# KiCad board pcb.kicad_pcb
title: Sitina 1 Sensor Board; date: 2024-06-18; rev: R0.11; company: Copyright 2024 Wenting Zhang; note: MERCHANTABILITY, SATISFACTORY QUALITY AND FITNESS FOR A PARTICULAR PURPOSE.; note: This source is distributed WITHOUT ANY EXPRESS OR IMPLIED WARRANTY, INCLUDING OF; note: This source describes Open Hardware and is licensed under the CERN-OHL-S v2.
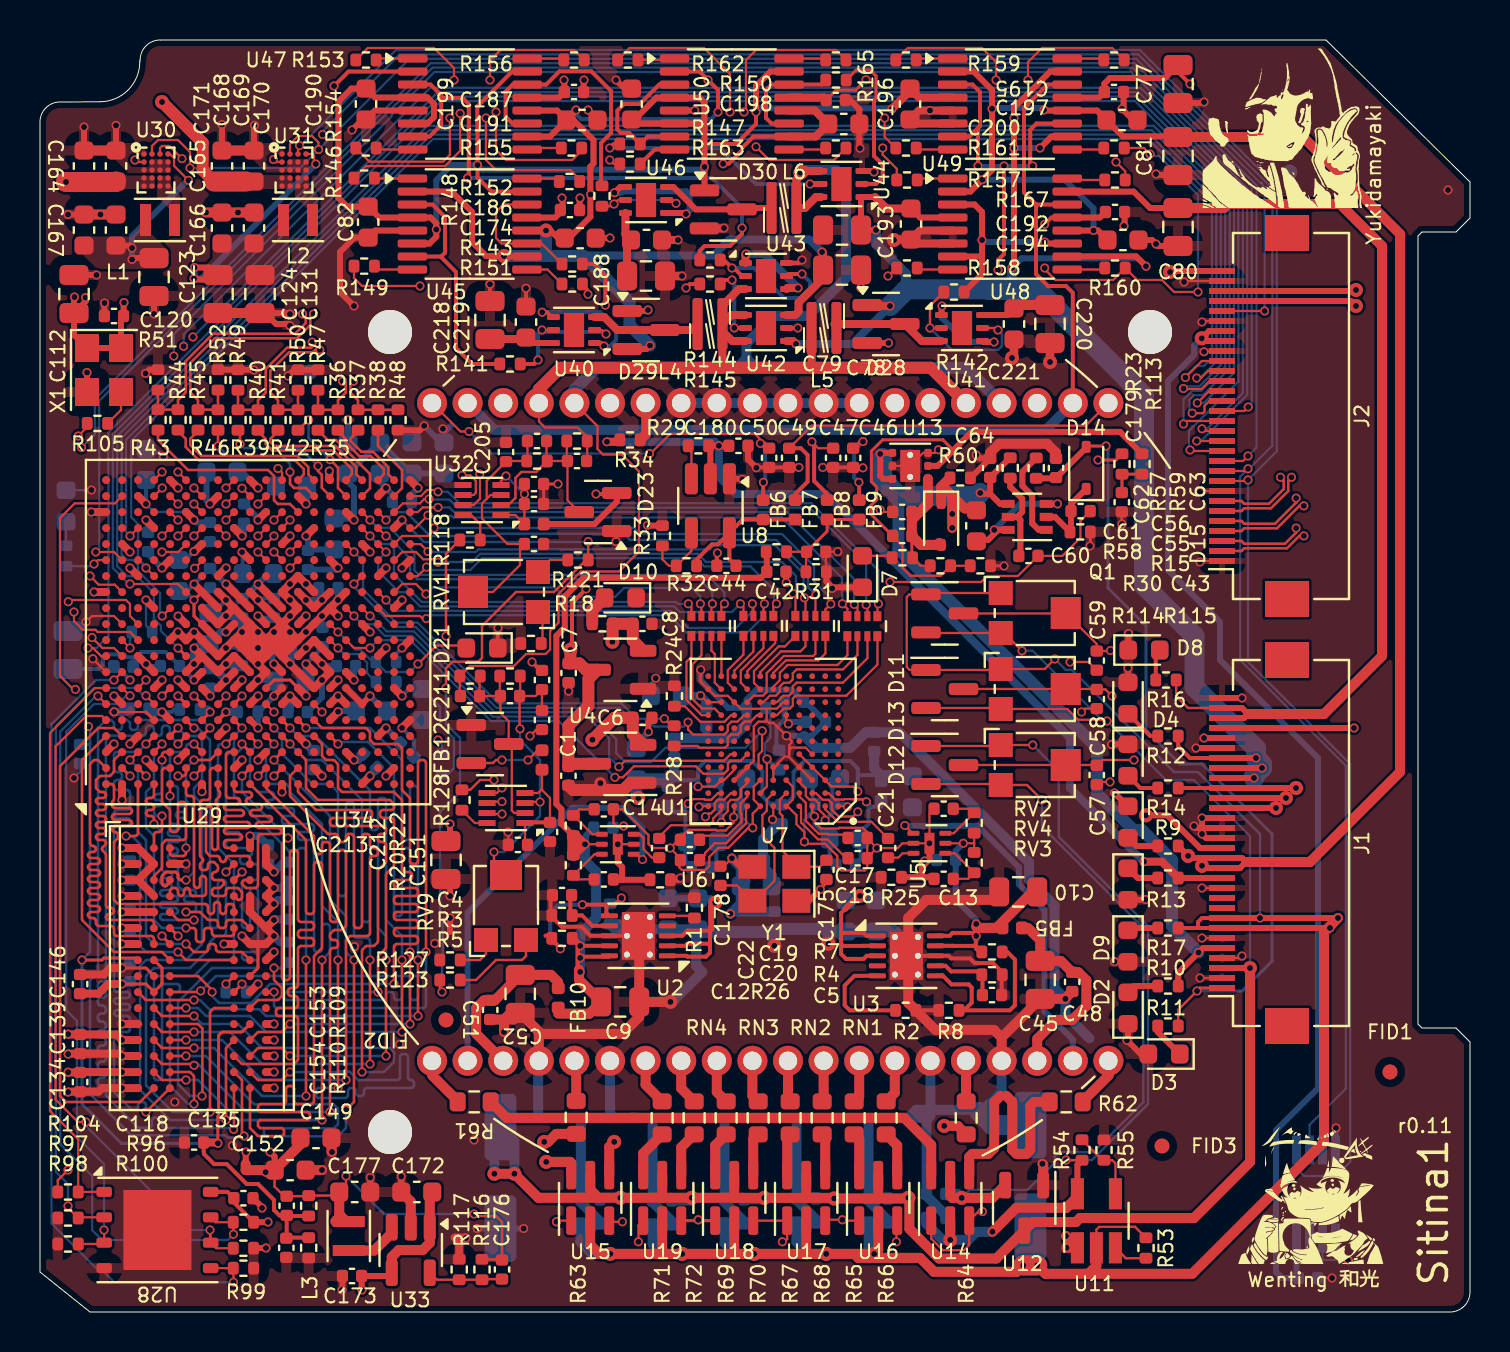
[diagram p0: board, top side]
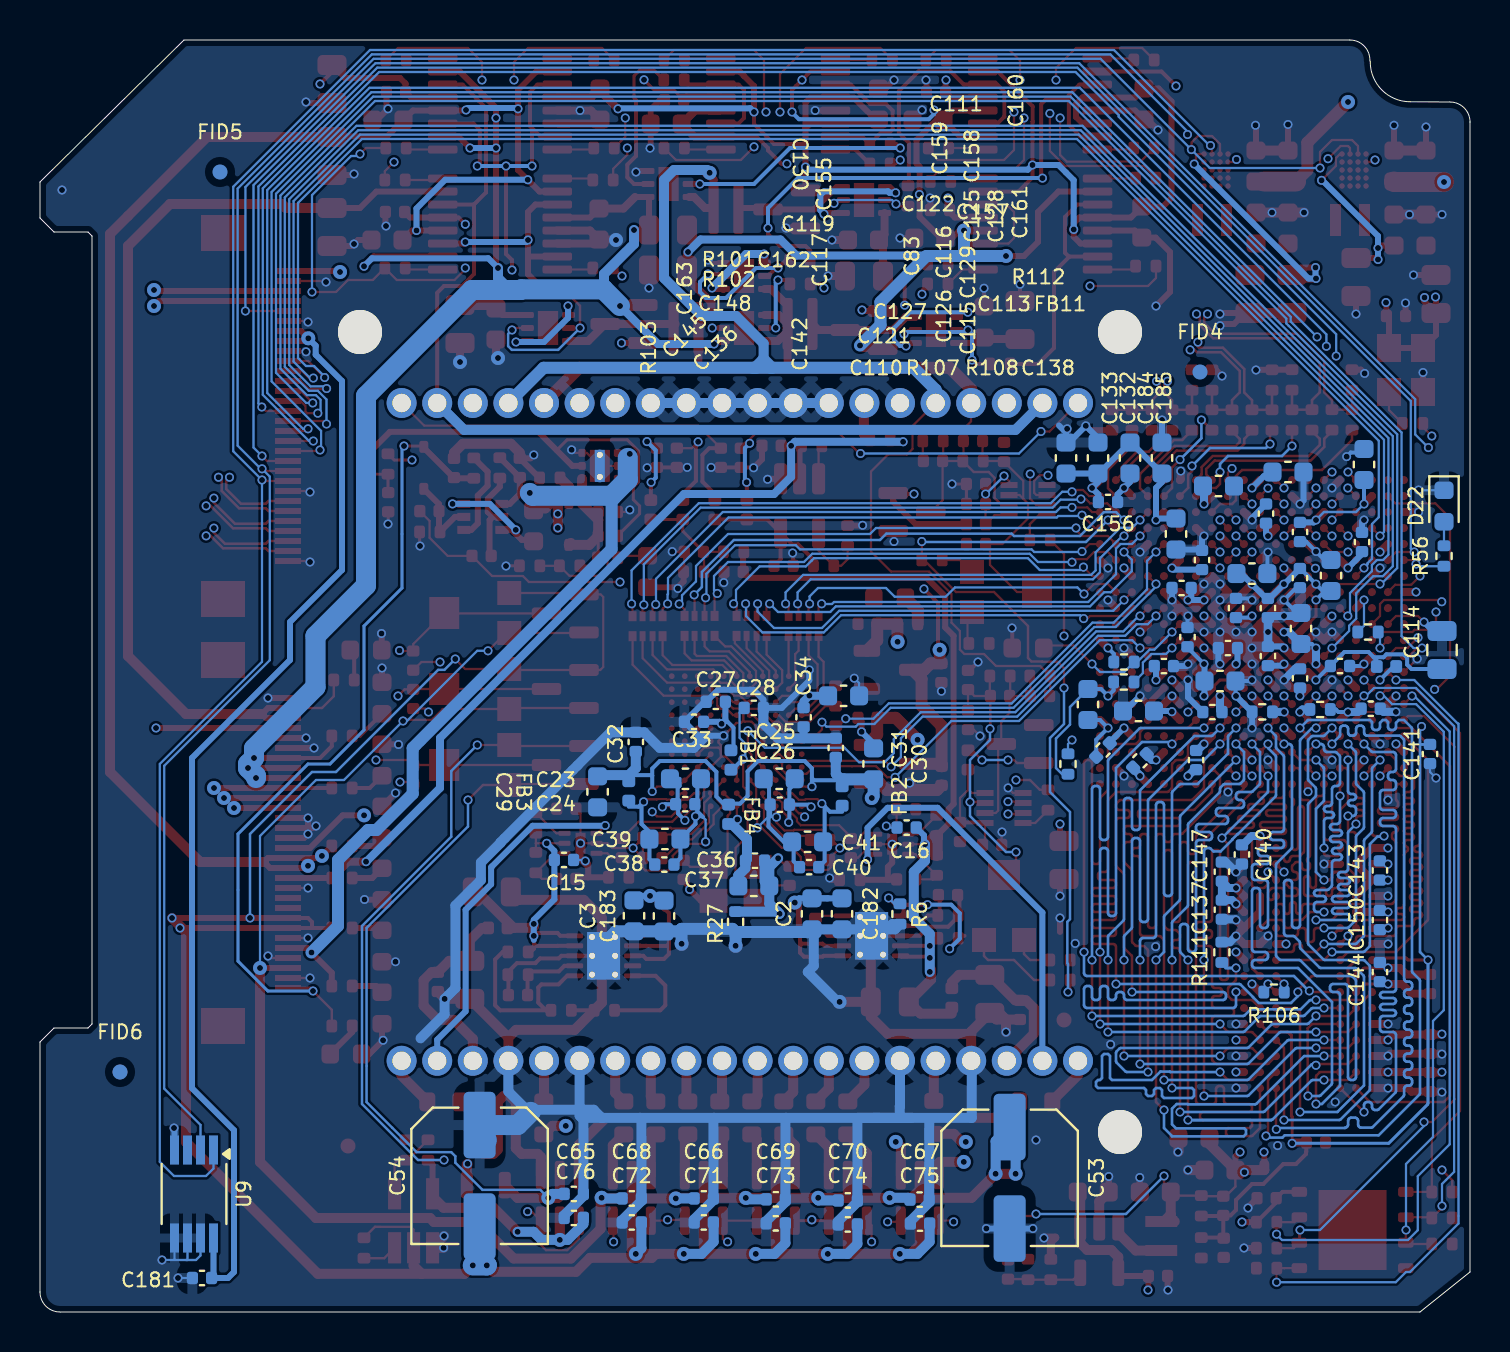
[diagram p1: board, bottom side, seen from below]

Outline 71.5 x 63.6 mm; copper layers: Top, In1.Cu (plane), In2.Cu, In3.Cu, In4.Cu, Bottom. Coordinates in mm from the lower left corner of the outline.
Outline path: 0,59.5 arc(0.29,60.21) 1,60.5 2.99,60.51 arc(4.4,61.1) 4.99,62.51 5.01,62.6 arc(5.3,63.31) 6.01,63.6 64.3,63.6 71.5,56.5 71.5,54.7 70.8,54 69.1,54 68.9,53.8 68.9,14.4 69.1,14.2 70.8,14.2 71.5,13.5 71.5,1 arc(71.21,0.29) 70.5,0 2.5,0 0,2 0,59.5
Stack: Top 0.035mm / dielectric 0.1mm FR4 er 4.2 / In1.Cu 0.0152mm / dielectric 0.167mm FR4 er 4.2 / In2.Cu 0.0152mm / dielectric 0.1mm FR4 er 4.2 / In3.Cu 0.035mm / dielectric 0.167mm FR4 er 4.5 / In4.Cu 0.035mm / dielectric 0.1mm FR4 er 4.5 / Bottom 0.035mm

## Placement (name value [footprint] x y rotation side)
C1  1uF  [C_0402_1005Metric]  26.42 26.81 270 top
C2  10uF 25V  [C_0603_1608Metric]  32.9 19.91 270 bottom
C3  10uF 25V  [C_0603_1608Metric]  41.8 19.81 270 bottom
C4  4.7uF  [C_0402_1005Metric]  26.1 20.84 180 top
C5  4.7uF  [C_0402_1005Metric]  47.6 15.85 0 top
C6  1uF  [C_0402_1005Metric]  30.12 29.71 0 top
C7  1uF  [C_0402_1005Metric]  26.43 31.95 270 top
C8  1uF  [C_0402_1005Metric]  30.12 34.41 0 top
C9  22uF 25V  [C_0805_2012Metric]  29.01 15.51 0 top
C10  22uF 25V  [C_0805_2012Metric]  48.91 21.01 180 top
C11  100nF  [C_0402_1005Metric]  45.18 25.16 180 top
C12  100nF  [C_0402_1005Metric]  28.19 21.63 0 top
C13  100nF  [C_0402_1005Metric]  45.18 21.66 180 top
C14  100nF  [C_0402_1005Metric]  28.19 25.14 0 top
C15  100nF  [C_0402_1005Metric]  45.3 22.6 180 bottom
C16  100nF  [C_0402_1005Metric]  28.17 24.22 0 bottom
C17  1uF  [C_0402_1005Metric]  40.88 23.7 0 top
C18  1uF  [C_0402_1005Metric]  40.88 22.69 0 top
C19  1uF  [C_0402_1005Metric]  32.5 23.61 180 top
C20  1uF  [C_0402_1005Metric]  32.5 22.59 180 top
C21  100nF  [C_0402_1005Metric]  42.4 23.2 270 top
C22  100nF  [C_0402_1005Metric]  30.96 23.2 270 top
C23  10uF  [C_0603_1608Metric]  39.23 26.66 0 bottom
C24  100nF  [C_0402_1005Metric]  39.24 25.39 0 bottom
C25  10uF  [C_0603_1608Metric]  34.54 26.66 180 bottom
C26  100nF  [C_0402_1005Metric]  34.51 25.37 180 bottom
C27  100nF  [C_0402_1005Metric]  37.71 30.51 180 bottom
C28  100nF  [C_0402_1005Metric]  35.81 30.21 0 bottom
C29  10uF  [C_0603_1608Metric]  43.62 26.01 90 bottom
C30  10uF  [C_0603_1608Metric]  29.82 27.41 270 bottom
C31  100nF  [C_0402_1005Metric]  31.71 28.21 270 bottom
C32  100nF  [C_0402_1005Metric]  41.71 28.51 270 bottom
C33  100nF  [C_0402_1005Metric]  38.8 29.51 180 bottom
C34  100nF  [C_0402_1005Metric]  33.32 29.73 90 bottom
C35  10uF  [C_0603_1608Metric]  31.32 30.81 0 bottom
C36  100nF  [C_0402_1005Metric]  35.75 22.57 180 bottom
C37  10uF  [C_0603_1608Metric]  35.81 21.31 180 bottom
C38  100nF  [C_0402_1005Metric]  40.28 22.37 180 bottom
C39  10uF  [C_0603_1608Metric]  40.25 23.65 180 bottom
C40  100nF  [C_0402_1005Metric]  33.04 22.24 0 bottom
C41  10uF  [C_0603_1608Metric]  33.12 23.51 0 bottom
C42  100nF  [C_0402_1005Metric]  36.82 37.01 0 top
C43  4.7uF  [C_0402_1005Metric]  38.81 38.01 0 top
C44  4.7uF  [C_0402_1005Metric]  34.32 37.31 0 top
C45  22uF 25V  [C_0805_2012Metric]  50.01 16.61 270 top
C46  100nF  [C_0402_1005Metric]  40.66 42.71 270 top
C47  100nF  [C_0402_1005Metric]  39.66 42.71 270 top
C48  100nF  [C_0402_1005Metric]  51.61 16.51 270 top
C49  100nF  [C_0402_1005Metric]  37.46 42.71 270 top
C50  100nF  [C_0402_1005Metric]  36.46 42.71 270 top
C51  100nF  [C_0402_1005Metric]  22.51 15.11 270 top
C52  22uF 25V  [C_0805_2012Metric]  24.01 15.91 270 top
C53  220uF / 6V  [C_Elec_6.3x7.7]  23.02 6.71 270 bottom
C54  220uF / 6V  [C_Elec_6.3x7.7]  49.52 6.81 270 bottom
C55  DNP/1nF  [C_0402_1005Metric]  43.11 38.81 0 top
C56  100nF  [C_0402_1005Metric]  43.11 40.01 0 top
C57  100nF  [C_0402_1005Metric]  52.84 26.85 90 top
C58  100nF  [C_0402_1005Metric]  52.84 30.65 90 top
C59  100nF  [C_0402_1005Metric]  52.84 32.57 90 top
C60  100nF  [C_0402_1005Metric]  49.42 37.81 0 top
C61  100nF  [C_0402_1005Metric]  52.03 40.04 0 top
C62  100nF  [C_0402_1005Metric]  47.51 42.21 270 top
C63  100nF  [C_0402_1005Metric]  50.8 42.2 90 top
C64  1uF 25V  [C_0603_1608Metric]  46.82 39.31 270 top
C65  100nF  [C_0402_1005Metric]  44.81 5.91 180 bottom
C66  100nF  [C_0402_1005Metric]  38.31 5.68 180 bottom
C67  100nF  [C_0402_1005Metric]  27.52 5.62 180 bottom
C68  100nF  [C_0402_1005Metric]  41.91 5.68 180 bottom
C69  100nF  [C_0402_1005Metric]  34.71 5.63 180 bottom
C70  100nF  [C_0402_1005Metric]  31.11 5.58 180 bottom
C71  100nF  [C_0402_1005Metric]  38.31 4.48 180 bottom
C72  100nF  [C_0402_1005Metric]  41.91 4.48 180 bottom
C73  100nF  [C_0402_1005Metric]  34.71 4.43 180 bottom
C74  100nF  [C_0402_1005Metric]  31.11 4.38 180 bottom
C75  100nF  [C_0402_1005Metric]  27.5 4.42 180 bottom
C76  100nF  [C_0402_1005Metric]  44.81 4.71 180 bottom
C77  22uF  [C_0805_2012Metric]  56.9 61.4 90 top
C78  47uF  [C_0805_2012Metric]  40.1 54.1 180 top
C79  47uF  [C_0805_2012Metric]  40.1 52.1 180 top
C80  47uF  [C_0805_2012Metric]  56.9 54.25 90 top
C81  47uF  [C_0805_2012Metric]  56.9 57.8 90 top
C82  4.7uF  [C_0603_1608Metric]  16.41 54.5 270 top
C83  470nF  [C_0402_1005Metric]  11.7 35.2 90 bottom
C110  470nF  [C_0402_1005Metric]  12.88 30 180 bottom
C111  10uF  [C_0603_1608Metric]  9.1 42 0 bottom
C112  100uF  [C_0805_2012Metric]  1.7 50.9 270 top
C113  470nF  [C_0402_1005Metric]  6.5 32.3 0 bottom
C114  47uF  [C_0805_2012Metric]  1.4 33.1 270 bottom
C115  470nF  [C_0402_1005Metric]  8.5 31.68 90 bottom
C116  470nF  [C_0402_1005Metric]  10.1 35.2 270 bottom
C117  470nF  [C_0402_1005Metric]  14.12 33.75 90 bottom
C118  470nF  [C_0402_1005Metric]  10.17 5.69 180 top
C119  470nF  [C_0402_1005Metric]  14.42 36.2 0 bottom
C120  470nF  [C_0402_1005Metric]  3.7 49.8 0 top
C121  10uF  [C_0603_1608Metric]  12.5 31.55 180 bottom
C122  10uF  [C_0603_1608Metric]  10.9 36.92 180 bottom
C123  100uF  [C_0805_2012Metric]  5.7 51.75 270 top
C124  100uF  [C_0805_2012Metric]  8.9 50.9 270 top
C125  470nF  [C_0402_1005Metric]  8.5 36.7 270 bottom
C126  470nF  [C_0402_1005Metric]  10.1 32.8 90 bottom
C127  470nF  [C_0402_1005Metric]  12.1 33.2 0 bottom
C128  10uF  [C_0603_1608Metric]  6.95 36.83 90 bottom
C129  10uF  [C_0603_1608Metric]  8.45 34.18 90 bottom
C130  10uF  [C_0603_1608Metric]  14.7 38.9 270 bottom
C131  100uF  [C_0805_2012Metric]  11 50.9 270 top
C132  47uF  [C_0603_1608Metric]  18.6 42.7 90 bottom
C133  47uF  [C_0603_1608Metric]  20.2 42.7 90 bottom
C134  470nF  [C_0402_1005Metric]  2 11.5 270 top
C135  100nF  [C_0402_1005Metric]  7.7 8.48 180 top
C136  470nF  [C_0402_1005Metric]  16.5 27.56 135 bottom
C137  470nF  [C_0402_1005Metric]  12.4 20.12 270 bottom
C138  470nF  [C_0402_1005Metric]  4.96 30.17 180 bottom
C139  470nF  [C_0402_1005Metric]  2 13.4 270 top
C140  470nF  [C_0402_1005Metric]  11.4 22.88 270 bottom
C141  100nF  [C_0402_1005Metric]  2 27.9 270 bottom
C142  470nF  [C_0402_1005Metric]  13.69 27.6 90 bottom
C143  470nF  [C_0402_1005Metric]  4.5 22.08 90 bottom
C144  470nF  [C_0402_1005Metric]  4.5 17 90 bottom
C145  470nF  [C_0402_1005Metric]  18.35 28.1 315 bottom
C146  470nF  [C_0402_1005Metric]  2 16.4 90 top
C147  470nF  [C_0402_1005Metric]  12.4 22.02 90 bottom
C148  10uF  [C_0603_1608Metric]  16.57 30.05 0 bottom
C149  22uF  [C_0603_1608Metric]  13.8 8.7 0 top
C150  470nF  [C_0402_1005Metric]  4.5 19.6 90 bottom
C151  47uF  [C_0805_2012Metric]  20.3 22.6 270 top
C152  10uF  [C_0603_1608Metric]  12.5 7.1 0 top
C153  100nF  [C_0402_1005Metric]  12.34 5.31 270 top
C154  100nF  [C_0402_1005Metric]  12.31 3.21 270 top
C155  470nF  [C_0402_1005Metric]  13.4 37.6 90 bottom
C156  470nF  [C_0402_1005Metric]  18.1 40.5 180 bottom
C157  10uF  [C_0603_1608Metric]  12.57 41.3 180 bottom
C158  470nF  [C_0402_1005Metric]  8.5 39 270 bottom
C159  470nF  [C_0402_1005Metric]  10.2 39.92 90 bottom
C160  10uF  [C_0603_1608Metric]  5.3 42.38 90 bottom
C161  470nF  [C_0402_1005Metric]  5.4 38.5 90 bottom
C162  470nF  [C_0402_1005Metric]  15.3 32.3 180 bottom
C163  10uF  [C_0603_1608Metric]  19.1 30.38 270 bottom
C164  10uF  [C_0603_1608Metric]  2.2 57.3 90 top
C165  10uF  [C_0603_1608Metric]  3.8 57.3 90 top
C166  10uF  [C_0603_1608Metric]  3.8 54.1 90 top
C167  10uF  [C_0603_1608Metric]  2.2 54.1 90 top
C168  10uF  [C_0603_1608Metric]  9.1 57.3 90 top
C169  10uF  [C_0603_1608Metric]  10.7 57.3 90 top
C170  10uF  [C_0603_1608Metric]  10.7 54.2 90 top
C171  10uF  [C_0603_1608Metric]  9.1 54.2 90 top
C172  10uF  [C_0603_1608Metric]  18.84 6 180 top
C173  100nF  [C_0402_1005Metric]  15.6 1.8 0 top
C174  4.7uF  [C_0603_1608Metric]  27.01 53.7 180 top
C175  18pF  [C_0402_1005Metric]  39.32 22.11 90 top
C176  18pF  [C_0402_1005Metric]  23.1 2.13 90 top
C177  22uF  [C_0603_1608Metric]  15.74 6 0 top
C178  18pF  [C_0402_1005Metric]  34.02 21.81 270 top
C179  470nF  [C_0402_1005Metric]  54.09 40.49 90 top
C180  4.7uF  [C_0402_1005Metric]  34.92 43.31 180 top
C181  100nF  [C_0402_1005Metric]  63.4 1.7 180 bottom
C182  10uF 25V  [C_0603_1608Metric]  31.4 19.91 270 bottom
C183  10uF 25V  [C_0603_1608Metric]  40.3 19.8 270 bottom
C184  47uF  [C_0603_1608Metric]  17 42.7 270 bottom
C185  47uF  [C_0603_1608Metric]  15.4 42.7 90 bottom
C186  1uF  [C_0402_1005Metric]  26.5 55.1 180 top
C187  1uF  [C_0402_1005Metric]  26.7 61 180 top
C188  47uF  [C_0805_2012Metric]  30.3 51.8 0 top
C189  1uF  [C_0603_1608Metric]  30.32 53.6 0 top
C190  4.7uF  [C_0603_1608Metric]  16.3 60.4 270 top
C191  4.7uF  [C_0603_1608Metric]  27.1 59.6 180 top
C192  1uF  [C_0402_1005Metric]  53.75 55 180 top
C193  4.7uF  [C_0603_1608Metric]  43.55 54.4 270 top
C194  4.7uF  [C_0603_1608Metric]  54.15 53.6 180 top
C195  1uF  [C_0402_1005Metric]  53.7 61 180 top
C196  4.7uF  [C_0603_1608Metric]  43.5 60.4 270 top
C197  4.7uF  [C_0603_1608Metric]  54.1 59.6 180 top
C198  1uF  [C_0402_1005Metric]  39.79 60.6 180 top
C199  4.7uF  [C_0603_1608Metric]  29.58 60.4 90 top
C200  4.7uF  [C_0603_1608Metric]  40.19 59.4 180 top
C201  100nF  [C_0402_1005Metric]  24.7 40.4 0 top
C202  1uF  [C_0402_1005Metric]  24.7 41.4 180 top
C203  10nF±5%  [C_0402_1005Metric]  24.85 43.55 180 top
C204  500pF±5%  [C_0402_1005Metric]  26.85 42.55 180 top
C205  100nF  [C_0402_1005Metric]  23.3 43 90 top
C207  1uF  [C_0402_1005Metric]  24.7 38.4 180 top
C208  500pF±5%  [C_0402_1005Metric]  21.5 30.8 0 top
C209  10nF±5%  [C_0402_1005Metric]  23.5 30.8 0 top
C210  100nF  [C_0402_1005Metric]  25.1 31.6 90 top
C211  1uF  [C_0402_1005Metric]  25.1 29.6 90 top
C212  100nF  [C_0402_1005Metric]  25.5 24 270 top
C213  1uF  [C_0402_1005Metric]  23.89 23.36 0 top
C218  47uF  [C_0805_2012Metric]  22.5 49.6 90 top
C219  1uF  [C_0603_1608Metric]  24.3 49.5 90 top
C220  47uF  [C_0805_2012Metric]  50.5 49.4 270 top
C221  1uF  [C_0603_1608Metric]  48.7 49.4 270 top
D1  LED  [LED_0603_1608Metric]  54.4 24.5 270 top
D2  LED  [LED_0603_1608Metric]  54.4 15.2 90 top
D3  LED  [LED_0603_1608Metric]  56.2 12.9 180 top
D4  LED  [LED_0603_1608Metric]  54.4 30.7 90 top
D5  LED  [LED_0603_1608Metric]  54.4 21.4 270 top
D6  LED  [LED_0603_1608Metric]  54.4 27.6 270 top
D7  LED  [LED_0603_1608Metric]  41.12 37.02 90 top
D8  LED  [LED_0603_1608Metric]  55.2 33.1 0 top
D9  LED  [LED_0603_1608Metric]  54.4 18.3 270 top
D10  LED  [LED_0603_1608Metric]  29.02 35.71 180 top
D11  BAT54S  [SOT-23]  45.24 34.93 0 top
D12  BAT54S  [SOT-23]  45.24 27.35 0 top
D13  BAT54S  [SOT-23]  45.24 31.15 0 top
D14  B0540WS  [D_SOD-323]  52.31 42.21 90 top
D15  B0540WS  [D_SOD-323]  45.06 39.41 270 top
D21  LED  [LED_0603_1608Metric]  22.1 33.2 180 top
D22  LED  [LED_0603_1608Metric]  1.3 40.3 270 bottom
D23  BAT54S  [SOT-23]  27.9 40 180 top
D24  BAT54S  [SOT-23]  22.5 28.4 0 top
D28  BAT54S  [SOT-23]  42.3 49.4 0 top
D29  BAT54S  [SOT-23]  30.3 49.1 0 top
D30  BAT54S  [SOT-23]  34.16 55.13 0 top
FB1  120R  [L_0402_1005Metric]  36.95 27.6 90 bottom
FB2  120R  [L_0402_1005Metric]  31.39 25.8 270 bottom
FB3  120R  [L_0402_1005Metric]  42.06 26.05 270 bottom
FB4  120R  [L_0402_1005Metric]  37.07 24.88 270 bottom
FB5  120R  [L_0402_1005Metric]  48.61 19.21 0 top
FB6  120R  [L_0402_1005Metric]  36.16 40.11 90 top
FB7  120R  [L_0402_1005Metric]  37.76 40.11 90 top
FB8  120R  [L_0402_1005Metric]  39.36 40.11 90 top
FB9  120R  [L_0402_1005Metric]  40.96 40.11 90 top
FB10  120R  [L_0402_1005Metric]  25.91 15.71 90 top
FB11  120R  [L_0402_1005Metric]  4.18 32.28 180 bottom
FB12  120R  [L_0402_1005Metric]  25.1 27.6 90 top
FB13  120R  [L_0402_1005Metric]  24.7 39.4 0 top
FID1  Fiducial  [Fiducial_0.75mm_Mask1.5mm]  67.5 12 0 top
FID2  Fiducial  [Fiducial_0.75mm_Mask1.5mm]  20.3 14.6 180 top
FID3  Fiducial  [Fiducial_0.75mm_Mask1.5mm]  56.1 8.3 180 top
FID4  Fiducial  [Fiducial_0.75mm_Mask1.5mm]  13.5 47 180 bottom
FID5  Fiducial  [Fiducial_0.75mm_Mask1.5mm]  62.5 57 180 bottom
FID6  Fiducial  [Fiducial_0.75mm_Mask1.5mm]  67.5 12 180 bottom
G***  LOGO  [wenting_logo]  63.7 6.4 0 top
G***#2  LOGO  [yukidama_logo]  62.13 59.19 0 top
H1  MountingHole  [MountingHole_2.2mm_M2_DIN965]  17.5 49 180 top
H2  MountingHole  [MountingHole_2.2mm_M2_DIN965]  55.5 49 0 top
H3  MountingHole  [MountingHole_2.2mm_M2_DIN965]  17.5 9 0 top
J1  FPC 0.5mm Bottom Contact  [Hirose_FH12-30S-0.5SH_1x30-1MP_P0.50mm_Horizontal]  60.95 23.45 90 top
J2  FPC 0.5mm Bottom Contact  [Hirose_FH12-30S-0.5SH_1x30-1MP_P0.50mm_Horizontal]  60.95 44.8 90 top
L1  FTC201610SR24MBCA  [L_Murata_DFE201610P]  6 54.6 180 top
L2  FTC201610SR24MBCA  [L_Murata_DFE201610P]  12.9 54.6 180 top
L3  FTC201610S4R7MBCA  [L_Murata_DFE201610P]  15.44 3.8 90 top
L4  0807SQ-11N  [Coilcraft_0807SQ-11N]  33.5 49.4 0 top
L5  0807SQ-11N  [Coilcraft_0807SQ-11N]  39.2 49.2 0 top
L6  0807SQ-11N  [Coilcraft_0807SQ-11N]  37.2 55.2 0 top
Q1  BC847BPN  [SOT-363_SC-70-6]  49.36 39.76 180 top
R1  249R  [R_0402_1005Metric]  32.72 20.21 90 top
R2  249R  [R_0402_1005Metric]  43.28 15.08 0 top
R3  30K  [R_0402_1005Metric]  26.1 19.83 180 top
R4  30K  [R_0402_1005Metric]  47.6 16.86 0 top
R5  270K 1%  [R_0402_1005Metric]  26.1 18.68 180 top
R6  22K 1%  [R_0402_1005Metric]  28.5 19.9 270 bottom
R7  270K 1%  [R_0402_1005Metric]  47.6 18.01 0 top
R8  22K 1%  [R_0402_1005Metric]  45.44 15.08 180 top
R9  10K  [R_0402_1005Metric]  56.4 23.3 0 top
R10  10K  [R_0402_1005Metric]  56.4 16.3 0 top
R11  10K  [R_0402_1005Metric]  56.4 14.3 0 top
R12  5.1K  [R_0402_1005Metric]  56.4 28.8 0 top
R13  5.1K  [R_0402_1005Metric]  56.4 21.7 0 top
R14  5.1K  [R_0402_1005Metric]  56.4 26.2 0 top
R15  5.1K  [R_0402_1005Metric]  43.12 37.71 0 top
R16  3.3K  [R_0402_1005Metric]  56.3 31.6 0 top
R17  3.3K  [R_0402_1005Metric]  56.4 19.2 0 top
R18  510  [R_0402_1005Metric]  28.12 34.41 0 top
R19  49.9K 1%  [R_0402_1005Metric]  46.71 24.45 90 top
R20  49.9K 1%  [R_0402_1005Metric]  26.67 22.34 270 top
R21  200K 1%  [R_0402_1005Metric]  46.71 22.47 270 top
R22  200K 1%  [R_0402_1005Metric]  26.67 24.32 90 top
R23  22K  [R_0402_1005Metric]  54.1 42.4 90 top
R24  10K  [R_0402_1005Metric]  31.72 30.8 270 top
R25  0  [R_0402_1005Metric]  42.57 21.74 180 top
R26  0  [R_0402_1005Metric]  31.01 21.61 0 top
R27  0  [R_0402_1005Metric]  36.72 19.51 270 bottom
R28  62R  [R_0402_1005Metric]  31.71 28.81 90 top
R29  0  [R_0402_1005Metric]  32.92 43.31 180 top
R30  82K 1%  [R_0402_1005Metric]  36.82 38.01 0 top
R31  270K 1%  [R_0402_1005Metric]  38.81 37.01 0 top
R32  22K  [R_0402_1005Metric]  32.32 37.31 180 top
R33  20K  [R_0402_1005Metric]  31.12 38.81 90 top
R34  0  [R_0402_1005Metric]  29.5 43.61 0 top
R35  62R  [R_0402_1005Metric]  13.9 44.6 270 top
R36  150R  [R_0402_1005Metric]  14.9 44.6 270 top
R37  150R  [R_0402_1005Metric]  15.9 44.6 270 top
R38  62R  [R_0402_1005Metric]  16.9 44.6 270 top
R39  62R  [R_0402_1005Metric]  9.9 44.6 270 top
R40  150R  [R_0402_1005Metric]  10.9 44.6 270 top
R41  150R  [R_0402_1005Metric]  11.9 44.6 270 top
R42  62R  [R_0402_1005Metric]  12.9 44.6 270 top
R43  62R  [R_0402_1005Metric]  5.9 44.61 270 top
R44  150R  [R_0402_1005Metric]  6.9 44.61 270 top
R45  150R  [R_0402_1005Metric]  7.9 44.61 270 top
R46  62R  [R_0402_1005Metric]  8.9 44.6 270 top
R47  120R  [R_0402_1005Metric]  13.9 46.6 270 top
R48  120R  [R_0402_1005Metric]  17.9 44.6 90 top
R49  120R  [R_0402_1005Metric]  9.9 46.6 270 top
R50  120R  [R_0402_1005Metric]  12.9 46.6 270 top
R51  120R  [R_0402_1005Metric]  5.9 46.61 270 top
R52  120R  [R_0402_1005Metric]  8.9 46.61 270 top
R53  0  [R_0402_1005Metric]  55.3 3.2 270 top
R54  20K  [R_0402_1005Metric]  52.1 8.1 90 top
R55  10K  [R_0402_1005Metric]  53.2 8.1 90 top
R56  1K  [R_0402_1005Metric]  1.3 37.8 90 bottom
R57  10K  [R_0402_1005Metric]  48.51 42.21 270 top
R58  10K  [R_0402_1005Metric]  52.01 39.01 0 top
R59  0  [R_0402_1005Metric]  49.81 42.2 270 top
R60  10K  [R_0402_1005Metric]  46.01 41.71 0 top
R61  0.1  [R_0603_1608Metric]  21.71 10.51 180 top
R62  0.1  [R_0603_1608Metric]  51.31 10.51 0 top
R63  0.1  [R_0603_1608Metric]  26.81 9.73 90 top
R64  0.1  [R_0603_1608Metric]  46.31 9.71 90 top
R65  0.1  [R_0603_1608Metric]  40.71 9.71 90 top
R66  0.1  [R_0603_1608Metric]  42.31 9.71 90 top
R67  0.1  [R_0603_1608Metric]  37.51 9.71 90 top
R68  0.1  [R_0603_1608Metric]  39.11 9.71 90 top
R69  0.1  [R_0603_1608Metric]  34.31 9.71 90 top
R70  0.1  [R_0603_1608Metric]  35.91 9.71 90 top
R71  0.1  [R_0603_1608Metric]  31.11 9.71 90 top
R72  0.1  [R_0603_1608Metric]  32.71 9.71 90 top
R96  20K  [R_0402_1005Metric]  10.17 4.49 180 top
R97  20K  [R_0402_1005Metric]  1.4 4.7 0 top
R98  20K  [R_0402_1005Metric]  1.4 3.4 0 top
R99  20K  [R_0402_1005Metric]  10.17 2.19 180 top
R100  20K  [R_0402_1005Metric]  10.17 3.19 180 top
R101  1K  [R_0402_1005Metric]  17.3 32.5 180 bottom
R102  4.7K  [R_0402_1005Metric]  17.31 31.5 180 bottom
R103  4.7K  [R_0402_1005Metric]  20.1 27.4 90 bottom
R104  100K  [R_0402_1005Metric]  1.4 6 0 top
R105  33R  [R_0402_1005Metric]  2.87 44.43 180 top
R106  100R  [R_0402_1005Metric]  9.8 16 0 bottom
R107  82R  [R_0402_1005Metric]  10.38 30.01 180 bottom
R108  82R  [R_0402_1005Metric]  7.49 30.13 0 bottom
R109  1.5K/0.5%  [R_0402_1005Metric]  13.44 5.31 270 top
R110  1.5K/0.5%  [R_0402_1005Metric]  13.44 3.21 270 top
R111  240R 1%  [R_0402_1005Metric]  12.4 17.99 270 bottom
R112  10K  [R_0402_1005Metric]  5.1 34 180 bottom
R113  22K  [R_0402_1005Metric]  55.1 42.4 270 top
R114  180K  [R_0402_1005Metric]  45.02 37.31 180 top
R115  10K  [R_0402_1005Metric]  47.02 37.31 180 top
R116  27K  [R_0402_1005Metric]  22.1 2.13 90 top
R117  22K  [R_0402_1005Metric]  20.96 2.13 270 top
R118  50  [R_0402_1005Metric]  21.5 38.6 0 top
R119  50k  [R_0402_1005Metric]  24.85 42.55 180 top
R120  1M  [R_0402_1005Metric]  26.85 43.55 180 top
R121  5.1k  [R_0402_1005Metric]  26.9 37.6 0 top
R122  10k  [R_0402_1005Metric]  24.55 33.43 0 top
R123  5.1k  [R_0402_1005Metric]  20.5 16.6 180 top
R125  1M  [R_0402_1005Metric]  21.5 31.8 0 top
R126  50k  [R_0402_1005Metric]  23.5 31.8 0 top
R127  10k  [R_0402_1005Metric]  20.5 17.6 0 top
R128  50  [R_0402_1005Metric]  21.1 25.6 270 top
R141  0  [R_0402_1005Metric]  23.5 47.4 180 top
R142  0  [R_0402_1005Metric]  45.7 51 0 top
R143  0  [R_0402_1005Metric]  26.61 52.4 0 top
R144  0  [R_0402_1005Metric]  33.5 52.6 180 top
R145  0  [R_0402_1005Metric]  33.5 51.4 0 top
R146  10  [R_0402_1005Metric]  16.21 56.7 0 top
R147  0  [R_0402_1005Metric]  29.5 58.4 0 top
R148  0  [R_0402_1005Metric]  28.1 55.8 90 top
R149  10  [R_0402_1005Metric]  16.21 52.3 180 top
R150  0  [R_0402_1005Metric]  39.8 61.6 0 top
R151  10  [R_0402_1005Metric]  26.61 51.4 180 top
R152  10  [R_0402_1005Metric]  26.47 56.53 0 top
R153  10  [R_0402_1005Metric]  16.3 62.6 0 top
R154  10  [R_0402_1005Metric]  16.3 58.2 180 top
R155  10  [R_0402_1005Metric]  26.57 58.2 180 top
R156  10  [R_0402_1005Metric]  26.7 62.6 0 top
R157  10  [R_0402_1005Metric]  43.35 56.6 0 top
R158  10  [R_0402_1005Metric]  43.35 52.2 180 top
R159  10  [R_0402_1005Metric]  43.3 62.6 0 top
R160  10  [R_0402_1005Metric]  53.75 52.2 0 top
R161  10  [R_0402_1005Metric]  43.3 58.2 180 top
R162  10  [R_0402_1005Metric]  29.39 62.6 0 top
R163  10  [R_0402_1005Metric]  29.5 57.4 180 top
R164  10  [R_0402_1005Metric]  39.79 58.2 180 top
R165  10  [R_0402_1005Metric]  39.79 62.6 0 top
R166  10  [R_0402_1005Metric]  53.7 58.2 0 top
R167  10  [R_0402_1005Metric]  53.75 56.6 180 top
R168  10  [R_0402_1005Metric]  53.7 62.6 0 top
RN1  51  [R_Array_Convex_4x0402]  41.12 34.29 270 top
RN2  51  [R_Array_Convex_4x0402]  38.52 34.31 270 top
RN3  51  [R_Array_Convex_4x0402]  35.92 34.31 270 top
RN4  51  [R_Array_Convex_4x0402]  33.32 34.31 270 top
RV1  1K  [Potentiometer_Bourns_TC33X_Vertical]  23.1 36 180 top
RV2  50K  [Potentiometer_Bourns_TC33X_Vertical]  49.84 34.95 0 top
RV3  50K  [Potentiometer_Bourns_TC33X_Vertical]  49.84 27.35 0 top
RV4  50K  [Potentiometer_Bourns_TC33X_Vertical]  49.84 31.15 0 top
RV9  1K  [Potentiometer_Bourns_TC33X_Vertical]  23.3 20.4 90 top
U1  XC6206P152MR  [SOT-23-3]  29.02 27.41 180 top
U2  LT3045xDD  [DFN-10-1EP_3x3mm_P0.5mm_EP1.65x2.38mm_LargeThermalVias]  29.92 18.81 180 top
U3  LT3045xDD  [DFN-10-1EP_3x3mm_P0.5mm_EP1.65x2.38mm_LargeThermalVias]  43.32 17.81 0 top
U4  XC6206P302MR  [SOT-23-3]  29.02 32.11 180 top
U5  ADA4800  [DFN-6-1EP_1.6x1.6mm_P0.5mm_EP0.5x1.05mm]  44.47 23.44 0 top
U6  ADA4800  [DFN-6-1EP_1.6x1.6mm_P0.5mm_EP0.5x1.05mm]  28.89 23.39 180 top
U7  AD9990  [BGA-112_11x11_8.0x8.0mm]  36.66 28.54 180 top
U8  TPS72301  [SOT-23-5_HandSoldering]  33.52 40.31 270 top